# KiCad board IO256.kicad_pcb (continued)
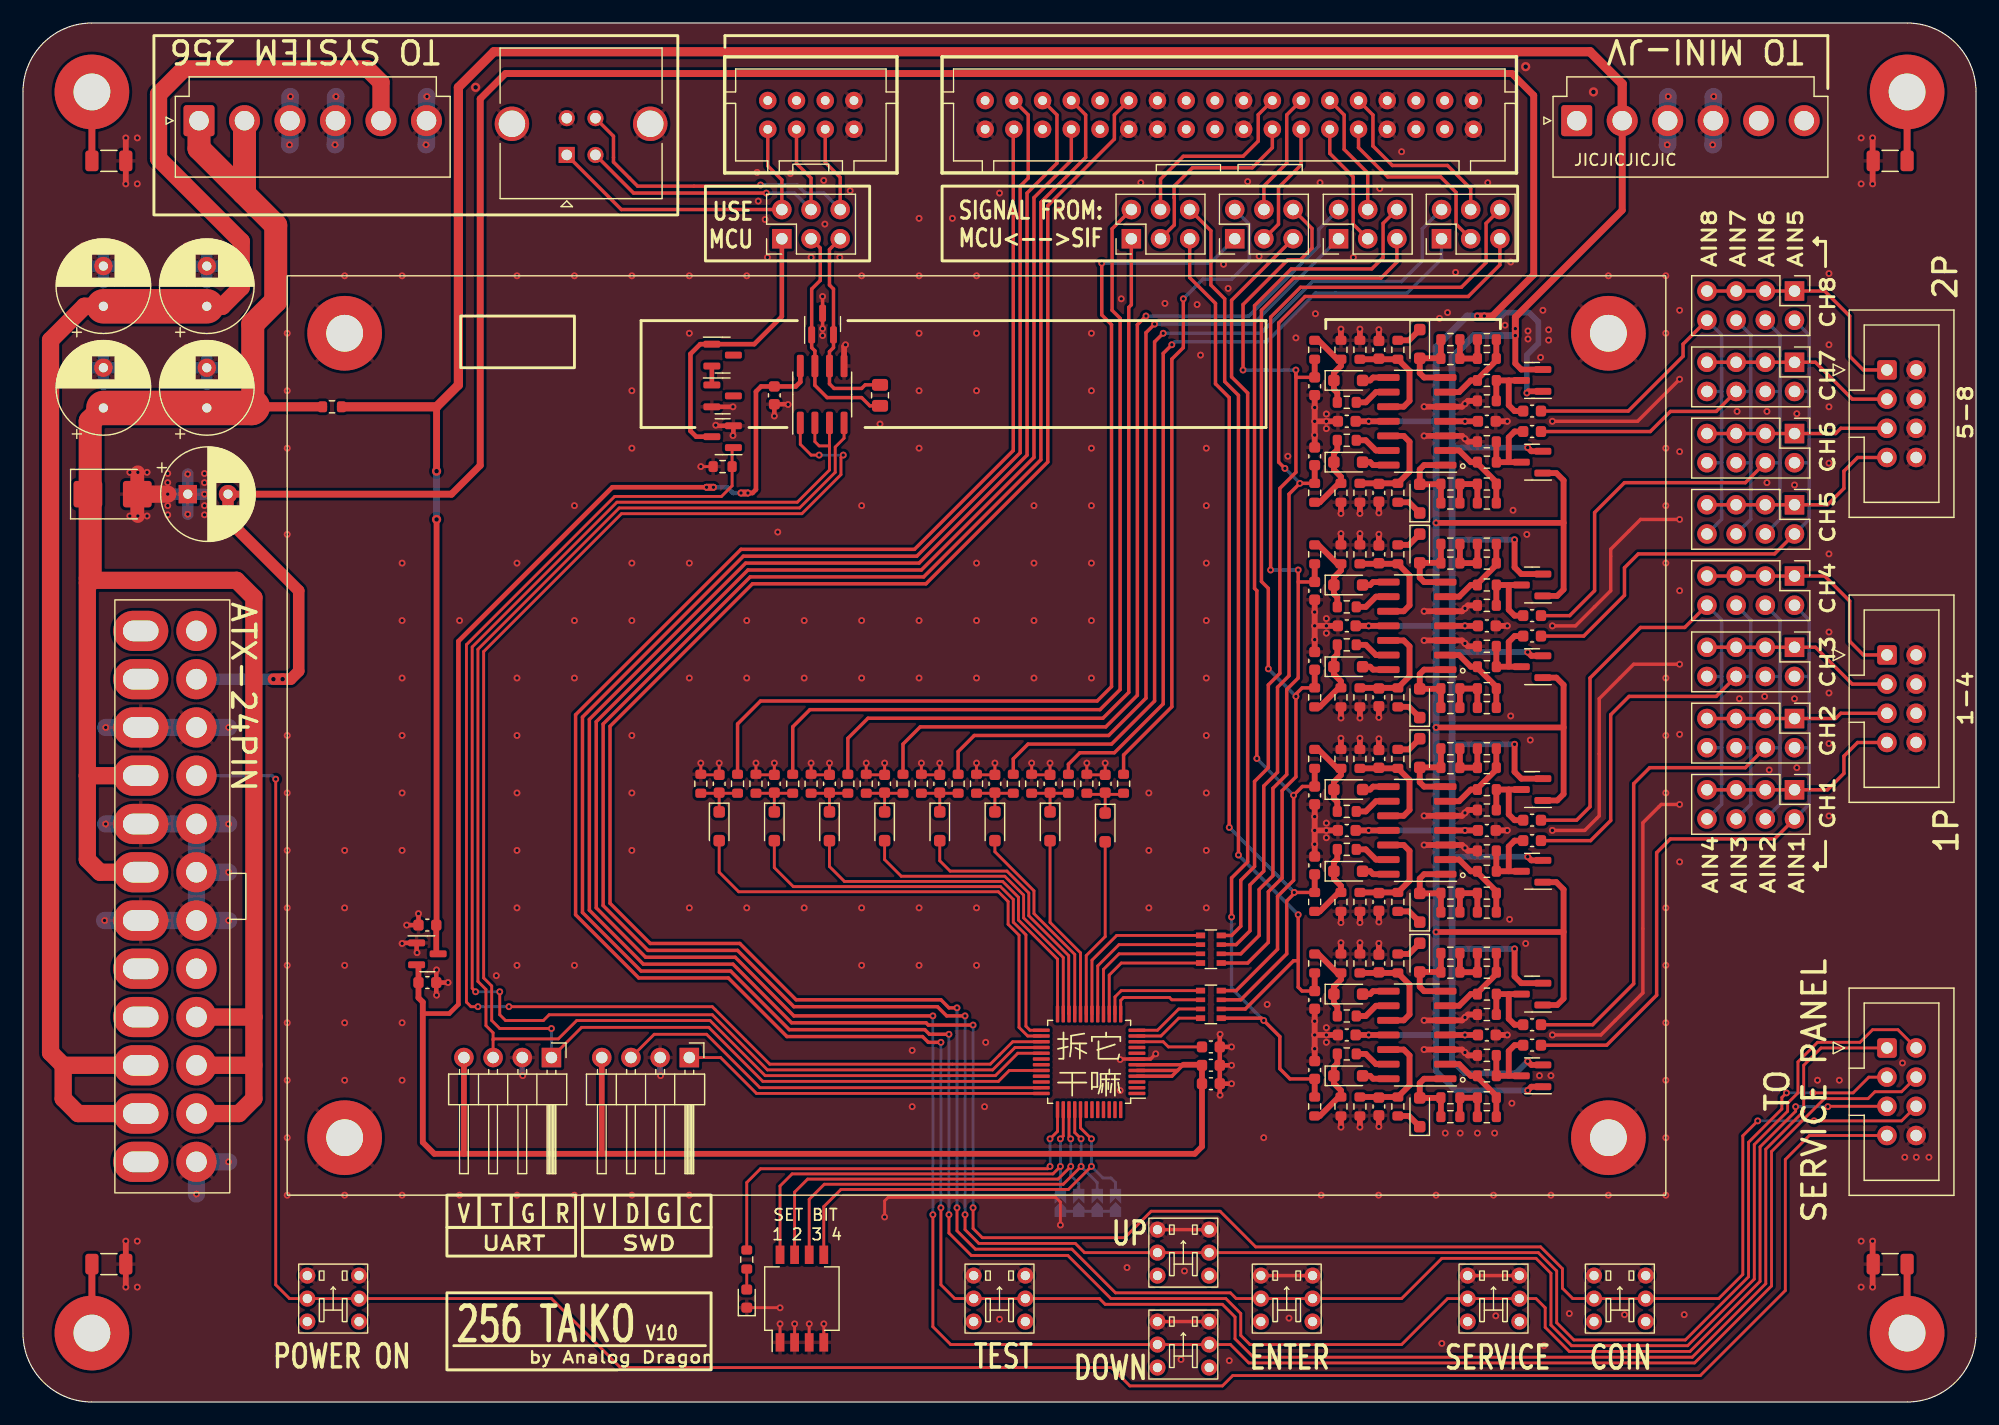
[diagram p0: board, top side]
## Routing (per net, layer and track width the routed paths; a pad name or vN(x,y) marks a point on that pad's centre or on a via; arc(x,y) is an arc through that point) (continued)
O4: length 79.5
  Top w0.3: v1(97.75,94.5) 97,93.75 97,61.5 94.25,58.75 78.1,58.75 76.6,57.25 R19.1
  Bottom w0.3: v1(97.75,94.5) 106.7,94.5 112.8,100.6 112.8,102.06 J20.2
O5: length 72.2
  Top w0.3: R10.1 81.4,56.6 82.8,58 94.5,58 97.75,61.25 97.75,93.05 v1(98.5,93.8)
  Bottom w0.3: v1(98.5,93.8) 107.09,93.8 J20.1
O6: length 78.4
  Top w0.3: R9.1 86.2,55.97 87.48,57.25 94.75,57.25 98.5,61 98.5,92.25 v1(99.25,93)
  Bottom w0.3: v1(99.25,93) 107.75,93 112.25,97.5 120,97.5 121.8,99.3 121.8,102.09 J23.2
O7: length 71.2
  Top w0.3: v1(100,92) 99.25,91.25 99.25,60.75 95,56.5 92,56.5 91,55.5 R8.1
  Bottom w0.3: v1(100,92) 100.25,92.25 108.25,92.25 112.5,96.5 120.5,96.5 123.47,99.47 J23.1
O8: length 55.7
  Top w0.3: R7.1 95.8,56.3 100,60.5 100,90.75 101,91.75 v1(101,96)
  Bottom w0.3: v1(101,96) 102.7,97.7 105.2,97.7 106.75,99.25 106.75,102.49 J19.2
OPA1: length 7.1
  Top w0.508: R102.1 114.4,29.46 114.11,29.17 D33.1 114.11,27.73 114.72,27.11 R106.1 114.53,26.54 112.88,24.89 R29.1
OPA2: length 7.1
  Top w0.508: R30.1 112.75,38.99 114.4,37.34 R107.1 114.72,36.77 114.11,36.15 D34.1 114.11,34.71 114.4,34.42 R103.1
OPA3: length 7.1
  Top w0.508: R100.1 114.4,47.26 114.11,46.97 D31.1 114.11,45.53 114.72,44.91 R104.1 114.53,44.34 112.88,42.69 R27.1
OPA4: length 7.1
  Top w0.508: R28.1 112.75,56.79 114.4,55.14 R105.1 114.72,54.57 114.11,53.95 D32.1 114.11,52.51 114.4,52.22 R101.1
OPA5: length 7.1
  Top w0.508: R25.1 112.88,60.49 114.53,62.14 R66.1 114.72,62.71 114.11,63.33 D21.1 114.11,64.77 114.4,65.06 R62.1
OPA6: length 7.1
  Top w0.508: R26.1 112.75,74.59 114.4,72.94 R67.1 114.72,72.37 114.11,71.75 D22.1 114.11,70.31 114.4,70.02 R63.1
OPA7: length 7.1
  Top w0.508: R23.1 112.88,78.29 114.53,79.94 R64.1 114.72,80.51 114.11,81.13 D19.1 114.11,82.57 114.4,82.86 R60.1
OPA8: length 7.1
  Top w0.508: R61.1 114.4,87.82 114.11,88.11 D20.1 114.11,89.55 114.72,90.17 R65.1 114.4,90.74 112.75,92.39 R24.1
PW_ON: length 210.6
  Top w0.25: J5.7 155.49,23.19 153.4,21.1 153.4,9.7 146,2.3 105.3,2.3 104.4,1.4 96.35,1.4 94.75,3 52,3 46,9 SW8.2 SW8.5 23.2,9 22,10.2 v1(22,54.2)
  Bottom w0.3: J6.16 21.7,54.5 v1(22,54.2)
RXD: length 131.7
  Top w0.25: v1(69.3,82.4) 68.6,82.4 67.66,83.34 U2.1 ; v1(71.4,82.4) 71.2,82.2 71.2,80.7 67.8,77.3 52.1,77.3 40.1,65.3 40.1,36.9 40.8,36.2 40.8,33.2 41.5,32.5 v1(46,32.5) ; U6.32 85.85,28.85 84.9,27.9 64.4,27.9 59.7,32.6 48.62,32.6 J17.1
  Bottom w0.25: v1(69.3,82.4) v1(71.4,82.4) ; J17.1 v1(46,32.5)
SEL_DOWN: length 258
  Top w0.25: v1(79.2,16.3) 79.2,6.55 80.75,5 SW6.5 SW6.2 105.1,5 106.7,3.4 145.5,3.4 152.2,10.1 152.2,21.8 156.8,26.4 160.6,26.4 161.2,27 163.52,27 J5.4
  Top w0.3: v1(79.2,33.6) 67.1,33.6 62,38.7 54.2,38.7 49.9,43 49.9,59.2 63.1,72.4 78.2,72.4 88,82.2 88,104.8 91.25,108.05 J4.8
  Bottom w0.25: v1(79.2,33.6) v1(79.2,16.3)
SEL_UP: length 254.7
  Top w0.25: J5.3 160.67,28.27 159.3,26.9 v1(155.8,26.9) ; v1(153.5,26.9) 153.1,26.5 153.1,25.5 150.2,22.6 150.2,10.9 144.7,5.4 135,5.4 133.5,6.9 133.5,11.4 131.9,13 SW4.2 SW4.5 92.4,13 91.6,13.8 83.2,13.8 82,15 v1(82,16.3)
  Top w0.3: J4.7 92.5,112 92.5,108.3 88.6,104.4 88.6,82 78.4,71.8 63.3,71.8 50.5,59 50.5,43.2 54.4,39.3 62.2,39.3 67.1,34.4 79.6,34.4 80.4,33.6 v1(82,33.6)
  Bottom w0.25: v1(82,16.3) v1(82,33.6) ; v1(153.5,26.9) v1(155.8,26.9)
SENSE: length 28.2
  Top w0.3: J102.1 52.08,103.77 J22.2 66.06,106.34 64.83,107.57 J1.2
SENSE_IO: length 116.4
  Top w0.25: Q2.1 61.72,82.94 61.72,79.72 60.8,78.8 51.5,78.8 38.6,65.9 38.6,34.8 39,34.4 v1(39.6,34.4) ; v1(42.3,34.4) 60,34.4 65,29.4 84.2,29.4 86.15,31.35 U6.27
  Bottom w0.25: v1(42.3,34.4) v1(39.6,34.4)
SERVICE: length 256.9
  Top w0.25: J5.5 157.13,25.73 v1(157.1,25.7) ; v1(154.3,25.7) 154.3,25.3 151.2,22.2 151.2,10.5 145.1,4.4 134.6,4.4 132.5,6.5 132.5,8.2 131.7,9 SW2.2 SW2.5 124,9 120,5 106.8,5 106,5.8 106,7.7 104.7,9 94.7,9 90.95,12.75 82.55,12.75 80.6,14.7 v1(80.6,16.3)
  Top w0.3: v1(80.6,32) 78.9,32 78.5,32.4 66.7,32.4 61.6,37.5 53.8,37.5 48.7,42.6 48.7,59.6 62.7,73.6 77.8,73.6 86.8,82.6 86.8,105.8 87.5,106.5 87.5,112 J4.3
  Bottom w0.25: v1(154.3,25.7) v1(157.1,25.7) ; v1(80.6,32) v1(80.6,16.3)
SET1: length 38.6
  Top w0.25: SW7.8 65.89,18.79 66.95,19.85 89.65,19.85 v1(90.3,20.5) ; v1(90.3,22.9) 90.55,23.15 U6.38
  Bottom w0.25: JP1.2 v1(90.3,20.5) v1(90.3,22.9)
SET2: length 38.2
  Top w0.25: U6.39 91.05,23.05 v1(91.2,22.9) ; v1(91.2,20.5) 90.1,19.4 68.3,19.4 67.17,18.26 SW7.7
  Bottom w0.25: v1(91.2,22.9) v1(91.2,20.5) 91.2,19.7 91.9,19 JP2.2
SET3: length 37.9
  Top w0.25: SW7.6 68.44,17.63 69.75,18.95 90.55,18.95 v1(92.1,20.5) ; U6.40 91.55,23.45 v1(92.1,22.9)
  Bottom w0.25: v1(92.1,22.9) v1(92.1,20.5) 93.5,19.1 JP3.2
SET4: length 38
  Top w0.25: SW7.5 69.7,17 71.2,18.5 91,18.5 v1(93,20.5) ; v1(93,22.9) 92.05,23.85 U6.41
  Bottom w0.25: v1(93,22.9) v1(93,20.5) 94,19.5 94.7,19.5 95.1,19.1 JP4.2
STA: length 38.1
  Top w0.25: R35.2 63,19.1 64.2,20.3 89.2,20.3 v1(89.4,20.5) ; v1(89.4,22.9) 90.05,23.55 U6.37
  Bottom w0.25: v1(89.4,20.5) v1(89.4,22.9)
SWCLK: length 31.9
  Top w0.25: U6.36 63.85,26.85 60.72,29.97 J21.1
SWDIO: length 38.5
  Top w0.25: U6.35 64.15,27.35 59.5,32 54.94,32 J21.3
TEST: length 256.9
  Top w0.25: v1(79.9,16.9) 79.9,10.2 81.1,9 SW1.5 SW1.2 93.7,9 94.2,8.5 104.4,8.5 105.5,7.4 105.5,5.5 107.1,3.9 145.3,3.9 151.7,10.3 151.7,22 155,25.3 155,29.3 156.51,30.81 J5.1
  Top w0.3: v1(79.9,31.3) 78.8,31.3 78.3,31.8 66.5,31.8 61.4,36.9 53.6,36.9 48.1,42.4 48.1,59.8 62.5,74.2 77.6,74.2 86.2,82.8 86.2,110.7 J4.4
  Bottom w0.25: v1(79.9,16.9) v1(79.9,31.3)
TXD: length 129.4
  Top w0.25: 40.92,31.5 40.92,32.13 40.3,32.75 40.3,35.9 39.6,36.6 39.6,65.5 51.9,77.8 67.6,77.8 70.7,80.9 70.7,83.1 71.47,83.87 U2.4 ; 40.92,31.5 J17.3 ; 40.92,31.5 40.92,31.6 46.6,31.6 48.2,33.2 59.8,33.2 64.6,28.4 84.64,28.4 86.59,30.35 U6.29
Net-(C1-Pad2): length 7.6
  Top w0.508: 129.33,81.78 129.33,83.94 129.83,84.45 C1.2 ; R1.1 R31.1 D10.3
Net-(C3-Pad2): length 7.6
  Top w0.508: C3.2 129.83,86.23 129.33,86.74 129.33,88.9 ; R6.1 R32.1 129.33,88.9 ; D11.3 129.33,88.9
Net-(C4-Pad2): length 7.6
  Top w0.508: C4.2 129.83,66.65 129.33,66.14 129.33,63.98 ; D12.3 R33.1 R13.1
Net-(C5-Pad2): length 7.6
  Top w0.508: 129.33,71.1 R34.1 R14.1 ; 129.33,71.1 129.33,68.94 129.83,68.43 C5.2 ; 129.33,71.1 D13.3
Net-(C16-Pad2): length 7.6
  Top w0.508: D23.3 R72.1 R68.1 ; C16.2 129.83,48.85 129.33,48.34 129.33,46.18
Net-(C21-Pad2): length 7.6
  Top w0.508: R69.1 R73.1 129.33,53.3 ; 129.33,53.3 D24.3 ; 129.33,53.3 129.33,51.14 129.83,50.63 C21.2
Net-(C22-Pad2): length 7.6
  Top w0.508: 129.33,28.38 129.33,30.54 129.83,31.05 C22.2 ; R70.1 R74.1 D25.3
Net-(C23-Pad2): length 7.6
  Top w0.508: R71.1 R75.1 129.33,35.5 ; C23.2 129.83,32.83 129.33,33.34 129.33,35.5 ; 129.33,35.5 D26.3
Net-(C52-Pad1): length 6
  Top w0.6: H2.1 C52.1
Net-(C53-Pad1): length 6
  Top w0.6: C53.1 H3.1
Net-(C54-Pad1): length 6
  Top w0.6: C54.1 H4.1
Net-(C55-Pad1): length 6
  Top w0.6: H5.1 C55.1
Net-(D1-K): length 4.9
  Top w0.25: 92.6,52.88 95.8,52.88 ; D1.1 94.2,52.92
Net-(D2-K): length 4.9
  Top w0.25: D2.1 C7.2 ; R3.2 R8.2
Net-(D3-K): length 4.9
  Top w0.25: R4.2 R9.2 ; D3.1 C8.2
Net-(D4-K): length 4.9
  Top w0.25: R5.2 R10.2 ; D4.1 C9.2
Net-(D6-K): length 4.9
  Top w0.25: D6.1 C17.2 ; R15.2 R19.2
Net-(D7-K): length 4.9
  Top w0.25: D7.1 C18.2 ; R16.2 R20.2
Net-(D8-K): length 4.9
  Top w0.25: R17.2 R21.2 ; D8.1 C19.2
Net-(D9-K): length 4.9
  Top w0.25: R18.2 R22.2 ; D9.1 C20.2
Net-(D14-A): length 7.2
  Top w0.508: U3.1 121.96,81.53 121.58,81.15 D14.2 123.4,79.86 123.42,79.88 123.42,78.23
Net-(D14-K): length 2.3
  Top w0.508: R52.1 120.65,78.29 D14.1
Net-(D15-A): length 1.8
  Top w0.25: D15.2 R35.1
Net-(D16-A): length 7.2
  Top w0.508: 123.42,92.45 123.42,90.8 123.4,90.82 D16.2 121.58,89.53 121.96,89.15 U3.7
Net-(D16-K): length 2.3
  Top w0.508: D16.1 120.65,92.39 R53.1
Net-(D17-A): length 7.2
  Top w0.508: 123.42,60.43 123.42,62.08 123.4,62.06 D17.2 121.58,63.35 121.96,63.73 U4.1
Net-(D17-K): length 2.3
  Top w0.508: R54.1 120.65,60.49 D17.1
Net-(D18-A): length 7.2
  Top w0.508: 123.42,74.65 123.42,73 123.4,73.02 D18.2 121.58,71.73 121.96,71.35 U4.7
Net-(D18-K): length 2.3
  Top w0.508: R55.1 120.65,74.59 D18.1
Net-(D19-A): length 2.3
  Top w0.508: D19.2 117.26,81.78 117.51,81.53 U3.14
Net-(D20-A): length 2.3
  Top w0.508: D20.2 117.26,88.9 117.51,89.15 U3.8
Net-(D21-A): length 2.3
  Top w0.508: D21.2 117.26,63.98 117.51,63.73 U4.14
Net-(D22-A): length 2.3
  Top w0.508: U4.8 117.51,71.35 117.26,71.1 D22.2
Net-(D27-A): length 7.2
  Top w0.508: 123.42,42.63 123.42,44.28 123.4,44.26 D27.2 121.58,45.55 121.96,45.93 U5.1
Net-(D27-K): length 2.3
  Top w0.508: R92.1 120.65,42.69 D27.1
Net-(D28-A): length 7.2
  Top w0.508: U5.7 121.96,53.55 121.58,53.93 D28.2 123.4,55.22 123.42,55.2 123.42,56.85
Net-(D28-K): length 2.3
  Top w0.508: R93.1 120.65,56.79 D28.1
Net-(D29-A): length 7.2
  Top w0.508: U7.1 121.96,28.13 121.58,27.75 D29.2 123.4,26.46 123.42,26.48 123.42,24.83
Net-(D29-K): length 2.3
  Top w0.508: R94.1 120.65,24.89 D29.1
Net-(D30-A): length 7.2
  Top w0.508: 123.42,39.05 123.42,37.4 123.4,37.42 D30.2 121.58,36.13 121.96,35.75 U7.7
Net-(D30-K): length 2.3
  Top w0.508: D30.1 120.65,38.99 R95.1
Net-(D31-A): length 2.3
  Top w0.508: D31.2 117.26,46.18 117.51,45.93 U5.14
Net-(D32-A): length 2.3
  Top w0.508: D32.2 117.26,53.3 117.51,53.55 U5.8
Net-(D33-A): length 2.3
  Top w0.508: U7.14 117.51,28.13 117.26,28.38 D33.2
Net-(D34-A): length 2.3
  Top w0.508: U7.8 117.51,35.75 117.26,35.5 D34.2
Net-(D35-Pad1): length 1.7
  Top w0.4: D35.1 D36.2
Net-(R36-Pad2): length 4.8
  Top w0.508: R45.1 R44.1 R36.2 R37.2
Net-(R38-Pad2): length 4.8
  Top w0.508: R39.2 R38.2 R46.1 R47.1
Net-(R40-Pad2): length 4.8
  Top w0.508: R49.1 R48.1 R40.2 R41.2
Net-(R42-Pad2): length 4.8
  Top w0.508: R51.1 R50.1 R42.2 R43.2
Net-(R76-Pad2): length 4.8
  Top w0.508: R85.1 R84.1 R76.2 R77.2
Net-(R78-Pad2): length 4.8
  Top w0.508: R79.2 R78.2 R86.1 R87.1
Net-(R80-Pad2): length 4.8
  Top w0.508: R89.1 R88.1 R80.2 R81.2
Net-(R82-Pad2): length 4.8
  Top w0.508: R83.2 R82.2 R90.1 R91.1
Net-(RN1-R1.1): length 9.2
  Top w0.25: RN1.1 95.6,35.8 95.05,35.25 U6.14
Net-(RN1-R2.1): length 8.3
  Top w0.25: RN1.2 100,35 99.8,35.2 95.8,35.2 95.55,34.95 U6.13
Net-(RN1-R3.1): length 6.3
  Top w0.25: RN1.3 100.6,34.2 98.75,32.35 U6.12
Net-(RN1-R4.1): length 6.2
  Top w0.25: U6.11 99.05,31.85 100.6,33.4 RN1.4
Net-(RN2-R1.1): length 15
  Top w0.25: RN2.1 95.2,40.6 93.05,38.45 U6.18
Net-(RN2-R2.1): length 13.9
  Top w0.25: U6.17 93.55,37.95 95.4,39.8 RN2.2
Net-(RN2-R3.1): length 12.9
  Top w0.25: RN2.3 95.4,39 94.05,37.65 U6.16
Net-(RN2-R4.1): length 11.8
  Top w0.25: U6.15 94.55,37.15 95.6,38.2 RN2.4
Net-(U3A--): length 7.5
  Top w0.508: U3.2 125.01,82.8 126.02,81.78 R31.2 126.6,81.69 128.25,80.04 R36.1 R37.1
Net-(U3B--): length 7.5
  Top w0.508: U3.6 125.01,87.88 126.02,88.9 R32.2 126.6,88.99 128.25,90.64 R38.1 R39.1
Net-(U3C-+): length 9.4
  Top w0.508: U3.10 120.18,86.61 120.69,87.12 120.69,89.72 R53.2 R57.2
Net-(U3C--): length 3.2
  Top w0.508: R61.2 116.88,86.99 117.77,87.88 U3.9
Net-(U3D-+): length 9.4
  Top w0.508: U3.12 120.18,84.07 120.69,83.56 120.69,80.96 R52.2 R56.2
Net-(U3D--): length 3.2
  Top w0.508: U3.13 117.77,82.8 116.88,83.69 R60.2
Net-(U4A--): length 7.5
  Top w0.508: R41.1 R40.1 128.25,62.24 126.6,63.89 R33.2 126.02,63.98 125.01,65 U4.2
Net-(U4B--): length 7.5
  Top w0.508: R43.1 R42.1 128.25,72.84 126.6,71.19 R34.2 126.02,71.1 125.01,70.08 U4.6
Net-(U4C-+): length 9.4
  Top w0.508: R59.2 R55.2 120.69,71.92 120.69,69.32 120.18,68.81 U4.10
Net-(U4C--): length 3.2
  Top w0.508: U4.9 117.77,70.08 116.88,69.19 R63.2
Net-(U4D-+): length 9.4
  Top w0.508: R58.2 R54.2 120.69,63.16 120.69,65.76 120.18,66.27 U4.12
Net-(U4D--): length 3.2
  Top w0.508: U4.13 117.77,65 116.88,65.89 R62.2
Net-(U5A--): length 7.5
  Top w0.508: R77.1 R76.1 128.25,44.44 126.6,46.09 R72.2 126.02,46.18 125.01,47.2 U5.2
Net-(U5B--): length 7.5
  Top w0.508: R79.1 R78.1 128.25,55.04 126.6,53.39 R73.2 126.02,53.3 125.01,52.28 U5.6
Net-(U5C-+): length 9.4
  Top w0.508: U5.10 120.18,51.01 120.69,51.52 120.69,54.12 R93.2 R97.2
Net-(U5C--): length 3.2
  Top w0.508: U5.9 117.77,52.28 116.88,51.39 R101.2
Net-(U5D-+): length 9.4
  Top w0.508: U5.12 120.18,48.47 120.69,47.96 120.69,45.36 R92.2 R96.2
Net-(U5D--): length 3.2
  Top w0.508: R100.2 116.88,48.09 117.77,47.2 U5.13
Net-(U6-NRST): length 5.8
  Top w0.25: C40.1 99.7,30.9 99.25,31.35 U6.10
Net-(U7A--): length 7.5
  Top w0.508: U7.2 125.01,29.4 126.02,28.38 R74.2 126.6,28.29 128.25,26.64 R80.1 R81.1
Net-(U7B--): length 7.5
  Top w0.508: U7.6 125.01,34.48 126.02,35.5 R75.2 126.6,35.59 128.25,37.24 R82.1 R83.1
Net-(U7C-+): length 9.4
  Top w0.508: R99.2 R95.2 120.69,36.32 120.69,33.72 120.18,33.21 U7.10
Net-(U7C--): length 3.2
  Top w0.508: R103.2 116.88,33.59 117.77,34.48 U7.9
Net-(U7D-+): length 9.4
  Top w0.508: R98.2 R94.2 120.69,27.56 120.69,30.16 120.18,30.67 U7.12
Net-(U7D--): length 3.2
  Top w0.508: U7.13 117.77,29.4 116.88,30.29 R102.2

## Copper pours and planes (outline as drawn; the poured copper is in the pictures)
GND on Top, Bottom: -2,122 172,122 172,-2 -2,-2

## Text on the board
F.Silkscreen: 1 2 3 4 | SET BIT | JICJICJICJIC | V10 | by Analog Dragon | V | T | G | R | D | C | SIGNAL FROM: / MCU<-->SIF | USE / MCU | UART | SWD | AIN8 | AIN4 | AIN7 | AIN3 | AIN6 | AIN2 | AIN5 | AIN1 | CH8 | CH7 | CH6 | CH5 | CH4 | CH3 | CH2 | CH1 | 5-8 | 1-4 | POWER ON | TEST | DOWN | UP | ENTER | SERVICE | COIN | 拆它 / 干嘛 | 2P | 1P | TO / SERVICE PANEL | TO SYSTEM 256 | TO MINI-JV | ATX-24PIN | 256 TAIKO
